# KiCad board Console.kicad_pcb (continued)
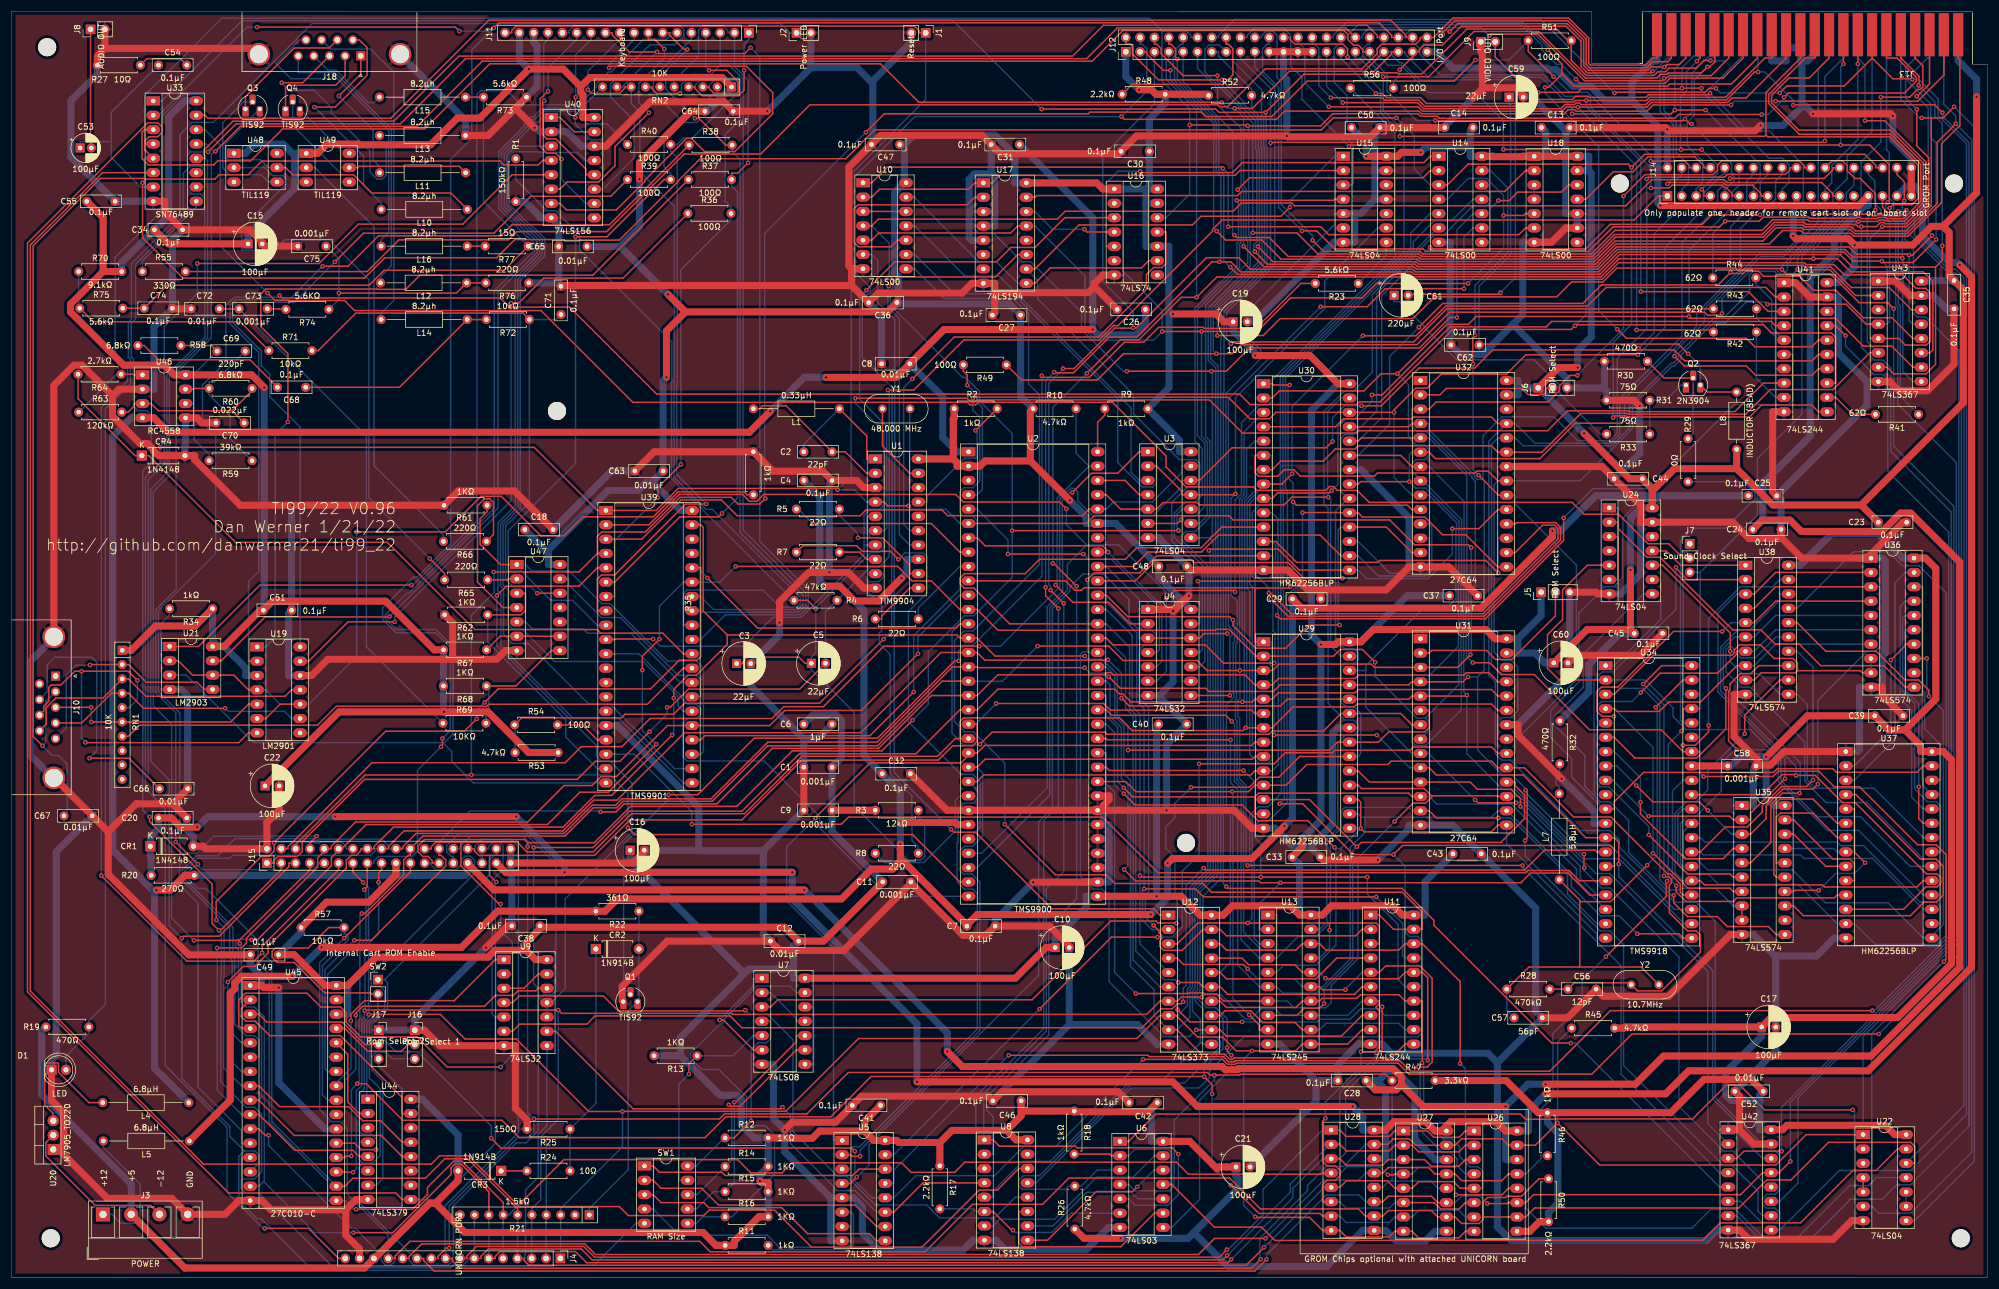
[diagram p0: board, top side]
## Routing (per net, layer and track width the routed paths; a pad name or vN(x,y) marks a point on that pad's centre or on a via; arc(x,y) is an arc through that point) (continued)
IO_A15-CRUOUT: length 204.5
  Top w0.25: v1(215.96,165.43) 216.29,165.76 248.33,165.76 254.19,171.62 R43.1
  Bottom w0.25: v1(215.96,165.43) 215.21,166.19 215.21,170.93 223.76,179.47 223.76,210.9 220.22,214.43 J12.19 ; R43.1 301.43,172.51 309.78,180.87 313.87,180.87 320,187 320,214.12 321.92,216.04 J13.19
IO_CRUIN: length 83.2
  Top w0.25: v1(300.9,215.61) 299.7,215.61 298.33,214.24 293.56,214.24 292.92,213.61 291.57,213.61 290.92,212.96 278.92,212.96 276.25,215.62 276.25,218.56 ; R51.2 276.25,218.56 ; 276.25,218.56 273.62,221.19 257.78,221.19 249.84,213.25 245.58,213.25 245.39,213.44 242.13,213.44 v1(241.73,213.04)
  Bottom w0.25: J13.33 304.13,216.04 303.62,215.52 300.99,215.52 v1(300.9,215.61) ; J12.33 238,215.97 238.8,215.97 v1(241.73,213.04)
IO_DBIN: length 409.4
  Top w0.25: v1(338.29,205.43) 340.01,205.43 ; 340.01,205.43 342.09,205.43 344.05,207.39 v1(344.05,207.41) ; 340.01,205.43 340.01,189.89 335.54,185.42 326.59,185.42 325.88,186.13 317.65,186.13 317.35,186.43 312.34,186.43 310.24,184.33 284.09,184.33 280.19,180.44 249.58,180.44 249.13,180.89 226.13,180.89 222.76,184.25 217,184.25 v1(216.58,184.67)
  Bottom w0.25: v1(216.58,184.67) 216.27,184.98 216.27,203.06 207.52,211.81 J12.9 ; J13.9 334.62,208.76 337.94,205.43 v1(338.29,205.43) ; U22.8 337.08,10.11 347.62,20.64 347.62,203.85 v1(344.05,207.41)
IO_SNDIN: length 290.9
  Top w0.25: J13.44 291.44,216.04 290.67,216.04 289.41,214.78 279.67,214.78 279.35,215.11 279.35,219.58 275.8,223.12 255.32,223.12 251.88,219.69 249.52,219.69 249.52,219.32 248.72,218.51 242.69,218.51 241.9,217.73 241.9,216.84 239.2,214.14 222.1,214.14 215.38,207.42 214.04,207.42 213.7,207.77 141.43,207.77 132.7,199.04 119.15,199.04 105.41,185.3 89.5,185.3 88.05,183.85 68.65,183.85 63.02,178.22 R55.1
IO_Ø3: length 196.5
  Top w0.25: 310.73,202.4 310.73,209.93 316.84,216.04 J13.24 ; 310.73,202.4 310.51,202.18 v1(245.9,202.18) ; 310.73,202.4 311.05,202.08 332.67,202.08 337.69,197.06 337.69,191.17 336.58,190.06 333.22,190.06 v1(332.62,189.46) ; J12.24 226.48,219.69 226.48,219.32 227.28,218.51 235.83,218.51 236.64,217.7 v1(236.64,216.22)
  Bottom w0.25: R41.1 334.52,156.14 334.52,172.15 334.15,172.52 334.15,187.16 332.62,188.69 v1(332.62,189.46) ; v1(236.64,216.22) 242.49,210.37 242.49,206.32 245.9,202.91 v1(245.9,202.18)
IR_A1: length 25.6
  Bottom w0.25: U44.10 69.23,16.38 69.23,33.42 65.06,37.59 J17.3
IR_A1_O: length 25
  Top w0.25: U45.3 43.84,46.69 45.25,45.28 58.63,45.28 62.6,41.31 J17.2
IR_A2: length 34
  Bottom w0.25: U44.7 64.66,16.38 65.78,17.5 65.78,34.87 63.87,36.79 63.87,39.23 64.61,39.98 66.29,39.98 67.51,38.77 J16.3
IR_A2_O: length 16.1
  Top w0.25: J16.2 70.28,41.31 69.1,40.12 63.11,40.12 59.08,44.15 U45.29
J_DOWN: length 151.8
  Top w0.25: v1(48.98,151.59) 48.98,163.66 44.18,168.46 44.18,174.24 45.06,175.13 64.9,175.13 64.96,175.07 69.85,175.07 72.35,177.56 102.97,177.56 R37.1
  Bottom w0.25: U19.1 45.06,111.75 46.71,113.39 46.71,149.32 v1(48.98,151.59)
J_FIRE: length 144.5
  Top w0.25: v1(57.29,179.94) 62.35,185 85.46,185 92,191.55 106.15,191.55 R39.1
  Bottom w0.25: U19.14 51.16,150.67 45.79,156.04 45.79,160.02 44.27,161.54 44.27,164.14 39.19,169.22 39.19,172.08 39.88,172.77 50.12,172.77 v1(57.29,179.94)
J_LEFT: length 158.4
  Top w0.25: v1(66.98,117.11) 66.91,117.04 44.94,117.04 37.18,109.28 U21.7
  Bottom w0.25: R40.1 105.46,204.38 102.04,204.38 99.77,206.65 94.15,206.65 92.58,205.08 92.1,205.08 91.28,204.26 91.28,203.78 86.81,199.31 86.81,189.56 91.45,184.92 91.69,184.92 93.12,183.49 93.12,181.57 86.19,174.64 86.19,136.32 v1(66.98,117.11)
J_RIGHT: length 122.5
  Top w0.25: v1(88.51,172.64) 89.86,172.64 94.28,177.06 108.36,177.06 R36.1 ; U19.13 52.68,109.21 59.65,116.17 v1(67.9,116.17)
  Bottom w0.25: v1(67.9,116.17) 67.9,117.01 88.51,137.61 v1(88.51,172.64)
J_UP: length 160.5
  Top w0.25: R38.1 105.93,186.52 88.68,186.52 86.71,184.55 65.03,184.55 59.63,179.16 v1(55.13,179.16)
  Bottom w0.25: v1(55.13,179.16) 49.19,173.22 39.68,173.22 38.74,172.28 38.74,168.98 43.81,163.91 43.81,125.09 42.01,123.29 42.01,109.21 U19.2
JOY1: length 215.3
  Top w0.25: U40.5 88.69,195.36 79.95,186.62 61.47,186.62 54.5,179.65 v1(32.95,179.65) ; C66.1 20.84,92.02 v1(13.84,92.02)
  Bottom w0.25: v1(13.84,92.02) 15.13,93.32 15.13,109.02 14.23,109.92 7.73,109.92 6.34,108.52 6.34,103.75 J10.7 ; v1(32.95,179.65) 32.95,174.32 27.08,168.46 27.08,144.15 24.22,141.28 24.22,88.64 C66.1
JOY2: length 213.6
  Top w0.25: v1(5.54,94.22) 3.86,95.89 3.86,182.79 15.78,194.71 23.49,194.71 23.61,194.59 36.04,194.59 36.81,195.36 41.93,195.36 44.36,197.79 86.53,197.79 87.22,197.1 93.31,197.1 94.11,197.9 U40.4
  Bottom w0.25: C67.1 9.87,82.36 9.87,91.06 9.8,91.06 8.34,92.52 7.23,92.52 v1(5.54,94.22) 6.13,94.81 6.13,102.09 J10.2
RAMBLK: length 113.8
  Top w0.25: 105.31,125.75 103.78,125.75 100.53,122.49 87.65,122.49 v1(85.99,120.83)
  Bottom w0.25: U9.11 95.62,48.73 ; 95.62,48.73 98.09,51.2 98.09,67.1 109.91,78.92 109.91,87.61 106.06,91.46 104.52,91.46 103.64,92.33 103.64,94.24 85.99,111.89 v1(85.99,120.83) ; 95.62,48.73 94.86,47.96 U9.10
READY: length 10
  Top w0.25: U3.4 199.75,138.69 197.21,141.22 U2.62
READY_~{HOLD}: length 623.9
  Top w0.25: v1(313.93,209.09) 314.69,209.84 335.25,209.84 337.37,211.96 337.37,212.64 333.97,216.04 332.07,216.04 J13.12 ; v1(208.67,204.18) 218.8,204.18 v1(218.95,204.03) 231.88,204.03 234.03,206.18 249.09,206.18 249.55,205.72 252.48,205.72 252.82,205.38 294.6,205.38 295.26,206.04 v1(309.99,206.04)
  Bottom w0.25: U16.12 204.48,187.77 208.67,191.96 v1(208.67,204.18) 208.67,207.07 203.78,211.96 203.78,220.86 ; J12.12 208.88,219.69 208.88,220.05 208.08,220.86 203.78,220.86 ; v1(218.95,204.03) 219.12,203.86 219.12,184.78 219.41,184.5 219.41,179.13 211.95,171.68 211.95,162.51 213.27,161.2 213.27,71.69 210.07,68.5 210.07,51.04 209.62,50.59 209.62,49.02 211.03,47.61 211.03,43.43 211.83,42.63 213.31,42.63 214.13,41.81 214.13,40.87 207.73,34.47 198.51,34.47 182.11,18.07 179.22,18.07 178.38,17.23 178.38,16.32 179.04,15.66 186.64,15.66 187.21,16.23 R26.2 189.46,16.23 192.3,19.06 U6.3 ; v1(309.99,206.04) 311.11,206.04 313.93,208.86 v1(313.93,209.09) ; 203.78,220.86 201.55,223.09 37.29,223.09 23.61,209.41 23.61,200.83 U33.4
SBE: length 401.7
  Top w0.25: v1(215.32,40.75) 215.32,40.16 v1(216.05,39.43) ; J12.2 197.36,218.51 198.17,218.51 198.54,218.14 198.54,216.79 203.16,212.16 v1(214.39,212.16) ; J13.2 344.78,216.04 345.07,215.74 345.07,204.1 341.82,200.85 341.82,190.42 335.89,184.49 326.24,184.49 325.75,184.99 317.4,184.99 316.91,185.48 313.69,185.48 311.32,183.11 284.14,183.11 280.57,179.54 249.2,179.54 248.77,179.96 223.42,179.96 v1(220.75,182.64)
  Bottom w0.25: 220.86,182.64 221.03,182.8 221.03,199.85 220.8,200.07 220.8,205.26 218.25,207.81 218.25,208.3 v1(214.39,212.16) ; 220.86,182.64 v1(220.75,182.64) ; 220.86,182.64 220.95,182.55 220.95,180.04 212.4,171.49 212.4,162.78 213.72,161.46 213.72,71.51 210.52,68.31 210.52,50.85 210.07,50.4 210.07,49.43 211.65,47.85 213.3,47.85 215.32,45.84 v1(215.32,40.75) ; U6.8 205.48,8.91 210.43,13.85 210.43,31.43 216.05,37.05 v1(216.05,39.43)
SNDIN: length 16.4
  Bottom w0.25: U33.9 32.76,189.65 23.23,180.12 R55.2
SNDOUT: length 21.1
  Top w0.25: C53.2 14.03,200.26 J8.1
SOUNDCLK: length 308.4
  Top w0.25: v1(45.4,174.4) 46.7,173.1 59,173.1 60.79,171.31 93.81,171.31 110.08,155.05 169.34,155.05 169.78,154.6 170.76,154.6 171.2,155.05 195.01,155.05 204.5,145.56 204.5,143.61 208.04,140.07 219.96,140.07 220.59,139.45 232.73,139.45 233.42,140.14 234.13,140.14 234.81,139.45 238.35,139.45 240.47,137.33 276.41,137.33 278.52,135.22 284.64,135.22 289.85,130.02 293.51,130.02 296.05,127.48 J7.2
  Bottom w0.25: U33.14 34.28,203.37 37.01,200.64 37.01,182.79 v1(45.4,174.4)
VAD0: length 62.5
  Top w0.25: U38.2 296.83,123.66 294.8,125.69 v1(294.8,125.83)
  Bottom w0.25: U34.10 280.81,85.56 280.3,86.07 280.3,105.87 281.72,107.29 283.68,107.29 294.8,118.41 v1(294.8,125.83)
VAD1: length 102.9
  Top w0.25: v1(314.1,88.39) 308,82.3 308,81.11 U35.2 304.95,81.11 304.31,81.75 v1(289.95,81.75) ; U38.3 308.64,121.12 312.45,124.93 U36.2
  Bottom w0.25: U38.3 305.58,121.12 302.23,117.76 302.23,103.75 314.1,91.88 v1(314.1,88.39) ; v1(289.95,81.75) 283.86,87.84 283.86,88.1 U34.9
VAD2: length 113.2
  Top w0.25: v1(300.43,82.77) 298.91,84.29 290.68,84.29 v1(287.78,87.2) ; v1(319.93,87.43) 319.05,86.55 313.72,86.55 310.76,83.59 310.76,81.33 308,78.57 U35.3 ; U38.4 308.64,118.58 312.45,122.39 U36.3
  Bottom w0.25: v1(300.43,82.77) 304.63,78.57 U35.3 ; U36.3 330.86,122.39 330.86,111.75 330.07,110.96 328.61,110.96 319.93,102.27 v1(319.93,87.43) ; U34.8 284.33,90.64 v1(287.78,87.2)
VAD3: length 104.8
  Top w0.25: v1(302.98,114.47) 294.36,114.47 284.49,104.61 281.58,104.61 280.8,103.82 280.8,100.3 281.67,99.43 v1(283.8,99.43) ; U36.4 312.45,119.84 308.64,116.03 U38.5 ; v1(288.5,84.23) 288.5,82.16 296.44,74.22 303.14,74.22 304.95,76.03 U35.4
  Bottom w0.25: v1(283.8,99.43) 283.86,99.37 283.86,93.18 ; U34.7 283.86,93.18 ; 283.86,93.18 288.5,88.54 v1(288.5,84.23) ; v1(302.98,114.47) 304.54,116.03 U38.5
VAD4: length 111.3
  Top w0.25: v1(303.62,104.4) 303.62,97.2 298.48,92.05 287.53,92.05 283.86,95.72 U34.6 ; v1(316.69,85.83) 313.64,85.83 311.59,83.78 311.59,77.08 308,73.49 U35.5
  Bottom w0.25: v1(316.69,85.83) 316.8,85.93 316.8,91.22 v1(303.62,104.4) 303.19,104.83 303.19,111.47 305.21,113.5 U38.6 308.64,113.5 312.45,117.31 U36.5
VAD5: length 102.9
  Top w0.25: U38.7 305.58,110.96 305.58,110.49 302.17,107.08 291.99,107.08 v1(288.57,103.66) ; U35.6 304.95,70.95 304.39,71.51 296.91,71.51 v1(289.99,78.43)
  Bottom w0.25: U34.5 281.57,98.26 ; 281.57,98.26 280.8,97.49 280.8,87.62 281.44,86.97 282.91,86.97 289.99,79.9 v1(289.99,78.43) ; 281.57,98.26 280.81,99.03 280.81,101.3 281.58,102.07 286.98,102.07 v1(288.57,103.66) ; U38.7 308.64,110.96 312.45,114.77 U36.6
VAD6: length 100.7
  Top w0.25: v1(290.72,75.18) 290.81,75.18 296.02,69.97 296.02,69.88 296.9,69 304.36,69 304.95,68.41 U35.7 ; 307.11,108.42 305.58,108.42 299.17,102 293.52,102 291.83,100.31 284.35,100.31 283.86,100.8 U34.4
  Bottom w0.25: U36.7 312.45,112.23 308.64,108.42 307.11,108.42 ; v1(290.72,75.18) 290.72,93.94 283.86,100.8 U34.4
VAD7: length 127.6
  Top w0.25: U38.9 308.64,105.88 309.91,107.15 315.94,107.15 316.32,107.52 ; U34.3 283.86,103.34 290.77,110.25 304.7,110.25 305.13,110.67 305.13,111.2 306.02,112.09 309.78,112.09 312.18,109.69 315.52,109.69 316.32,108.89 316.32,107.52 ; U36.9 327.81,107.15 327.43,107.52 316.32,107.52 ; U35.9 U35.8
  Bottom w0.25: U36.9 U36.8 ; U35.8 304.95,65.87 301.86,68.96 295.58,68.96 295.32,68.7 293.73,68.7 291.94,70.49 291.94,101.33 288.88,104.39 284.91,104.39 283.86,103.34 U34.3
VCAS: length 110.7
  Top w0.25: U34.2 274.09,105.88 272.04,107.93 272.04,113.92 274.72,116.59 274.72,121.81 279.11,126.21 U24.5
  Bottom w0.25: U34.2 289.36,105.88 294.29,100.95 294.29,99.39 296.58,97.09 307.95,97.09 313.37,91.67 313.37,88.09 319.81,81.66 327.48,81.66 336.26,72.88 U37.20
VCOL: length 66.7
  Top w0.25: U24.2 284.51,133.83 284.51,132.78 289.67,127.61 291.98,127.61 304.82,114.77 309.84,114.77 312.38,112.23 316.63,112.23 320.44,108.42 331.62,108.42 335.43,104.61 U36.11
VD0: length 102.4
  Top w0.25: v1(300.56,97.82) 300.56,96.66 298.2,94.31 v1(296.01,94.31) ; U37.11 323.35,67.8 322.84,67.28 305.58,67.28 304.94,66.65 296.54,66.65 294.84,68.34 v1(294.84,69.42)
  Bottom w0.25: U34.32 296.05,88.1 ; 296.05,88.1 296.01,88.14 v1(296.01,94.31) ; 296.05,88.1 294.19,86.24 294.19,70.08 v1(294.84,69.42) ; v1(300.56,97.82) 300.56,116.74 306.2,122.39 311.93,122.39 313.2,123.66 U38.19
VD1: length 117.6
  Top w0.25: U37.12 335.09,65.26 339.04,69.21 340.99,69.21 341.67,69.89 341.67,70.87 341.01,71.53 339.16,71.53 326.53,84.16 324.28,84.16 319.48,88.97 v1(316.06,88.97) 315.91,89.12 313.61,89.12 310.05,85.56 U34.31
  Bottom w0.25: U38.18 313.2,121.12 313.2,120.07 307.9,114.77 305.77,114.77 302.7,111.7 302.7,103.92 316.06,90.55 v1(316.06,88.97)
VD2: length 161.5
  Bottom w0.25: U34.30 296.05,83.02 295.13,82.1 295.13,73.14 296.83,71.45 300.55,71.45 302.32,69.68 316.38,69.68 323.35,62.72 U37.13 326.4,62.72 330.07,59.04 341,59.04 342.64,60.68 342.64,121.31 337.82,126.12 334.89,126.12 332.42,128.59 326.27,128.59 316.26,118.58 U38.17
VD3: length 132.1
  Top w0.25: v1(339.58,103) 339.58,104.06 337.77,105.88 335.35,105.88 330.27,110.96 321.34,110.96 316.26,116.03 U38.16
  Bottom w0.25: U37.15 339.77,60.18 ; 339.77,60.18 338.59,60.18 332.37,66.4 321.26,66.4 315.44,72.22 300.42,72.22 298.51,74.13 296.82,74.13 296.04,74.91 296.04,78.94 U34.29 ; 339.77,60.18 342.16,62.56 342.16,100.43 v1(339.58,103)
VD4: length 134.7
  Bottom w0.25: U37.16 341.64,62.72 341.64,65.74 340.86,66.53 ; 340.86,66.53 341.65,67.32 341.65,73.35 340.86,74.15 338.59,74.15 328.57,84.16 321.37,84.16 317.6,87.93 317.6,94.88 307.88,104.61 306.37,104.61 303.66,107.31 303.66,111.26 304.13,111.73 304.68,111.73 305.13,111.27 305.13,110.93 306.26,109.8 308.82,109.8 312.51,113.5 U38.15 ; 340.86,66.53 338.01,66.53 328,76.54 323.96,76.54 323.35,77.16 299.88,77.16 299.1,77.94 U34.28
VD5: length 99.6
  Top w0.25: v1(319.06,88.14) 317.92,87 313.5,87 310.08,83.58 310.08,82.5 307.42,79.84 303.54,79.84 299.1,75.4 U34.27
  Bottom w0.25: U34.27 299.1,75.4 299.6,74.9 316.84,74.9 317.47,74.26 329.58,74.26 338.59,65.26 U37.17 ; v1(319.06,88.14) 319.06,108.15 316.26,110.96 U38.14
VD6: length 98.9
  Top w0.25: v1(305.65,93.53) 304.12,95.05 304.12,103.87 304.35,104.09 304.35,105.15 306.2,107 308.04,107 309.46,108.42 314.73,108.42
  Bottom w0.25: U37.18 338.59,67.8 327.16,79.23 321.61,79.23 312.92,87.91 312.92,91.44 310.84,93.53 v1(305.65,93.53) 305.26,93.53 302.81,91.08 302.81,86.2 298.37,81.75 296.85,81.75 295.59,80.48 295.59,73.32 296.05,72.86 U34.26
VD7: length 91.3
  Top w0.25: v1(306.97,96.36) 306.97,99.64 313.2,105.88 U38.12 ; U37.19 338.59,70.34 337.46,69.21 321.1,69.21 320.72,69.59 299.83,69.59 299.1,70.32 U34.25
  Bottom w0.25: U34.25 296.05,70.32 294.64,71.73 294.64,82.26 296.69,84.31 298.35,84.31 300.4,86.37 300.4,89.79 v1(306.97,96.36)
VDPINT: length 189
  Top w0.25: U34.16 277.69,70.32 275.88,72.13 268.54,72.13 268.16,71.74 203.08,71.74 193.23,81.59 148.25,81.59 146.98,80.31 v1(120.51,80.31)
  Bottom w0.25: U39.18 110.32,92.73 120.51,82.54 v1(120.51,80.31)
VRAS: length 21.7
  Bottom w0.25: U34.1 283.86,108.42 292.13,116.69 292.13,123.67 U24.9
VRD: length 80.3
  Top w0.25: v1(304.4,110.97) 304.4,114.2 292.39,126.21 U24.10
  Bottom w0.25: U37.22 338.59,77.96 329.84,86.71 319.47,86.71 318.05,88.12 318.05,101.54 316.26,103.34 U38.11 313.2,103.34 309.54,107 306.51,107 304.4,109.1 v1(304.4,110.97)
VROW: length 94.9
  Top w0.25: U35.11 312.57,60.79 311.16,62.2 303.88,62.2 302.12,63.97 296.84,63.97 294.39,66.42 v1(294.39,67.73)
  Bottom w0.25: v1(294.39,67.73) 294.01,67.73 286.42,75.32 286.42,80.97 283.11,84.29 281.43,84.29 278.68,87.04 278.68,92.48 273.1,98.06 273.1,99.3 278.39,104.59 278.39,110.44 289.07,121.12 U24.8
VRW: length 159.6
  Top w0.25: U38.1 295.63,126.2 293.08,128.75 U24.11 ; U34.11 283.86,83.02 283.86,84.31 289.05,89.5 312.08,89.5 312.73,90.16 322.58,90.16 323.21,89.52 337.46,89.52 338.59,90.66 U37.27
  Bottom w0.25: U34.11 281.99,83.02 276.32,88.69 276.32,91.97 272.6,95.68 272.6,100.5 277.62,105.52 277.62,117.76 282.25,122.4 283.77,122.4 285.39,124.01 285.39,134.55 288.35,137.5 291.45,137.5 292.13,136.83 292.13,128.75 U24.11
~{CMRESET}: length 322
  Top w0.25: v1(155.25,157.24) 159.83,157.24 168.69,166.1 192.65,166.1 195.19,168.65 196,168.65 212.74,185.38 212.74,185.69 214.4,187.35 287.38,187.35 291.64,191.61 J14.1 ; C5.2 139.61,104.26 119.92,104.26 116.7,101.04 v1(116.12,101.04) ; J15.1 46.44,73.45 46.44,73.81 47.24,74.62 50.64,74.62 51.52,75.5 51.52,77.23 62.55,88.27 100.22,88.27 103.41,91.46 107.76,91.46 v1(113.03,96.73)
  Bottom w0.25: v1(113.03,96.73) 116.12,99.82 v1(116.12,101.04) ; C5.2 144.18,117.93 R4.1 152.16,125.9 153.67,125.9 155.46,127.69 155.46,127.92 155.47,127.93 155.47,157.01 v1(155.25,157.24)
~{CRUCLK}: length 364.4
  Top w0.25: 47.8,75.99 48.98,75.99 48.98,76.32 63.88,91.22 98.09,91.22 100.94,94.07 108.15,94.07 113.13,99.05 134.7,99.05 136.8,101.15 143.83,101.15 154.54,111.87 v1(171.42,111.87) ; v1(239.09,154.43) 242.6,154.43 249.3,161.13 259.16,161.13 262.38,164.34 288.18,164.34 ; 288.18,164.34 v1(288.18,164.64) ; 288.18,164.34 294.43,164.34 296.38,162.4 318.88,162.4 320.03,163.55 U41.15 ; v1(233.98,148.14) 232.85,147.01 216.2,147.01 210.42,141.23 U3.12
  Bottom w0.25: v1(239.09,154.43) 236.1,154.43 233.98,152.32 v1(233.98,148.14) ; U3.12 207.37,141.23 207.37,140.19 202.19,135.01 191.47,135.01 188.86,137.62 188.86,139.17 188.22,139.82 187.54,139.82 185.65,137.92 185.65,125.27 185.68,125.24 185.68,122.36 175.18,111.87 v1(171.42,111.87) ; J14.4 295.82,195.43 294.65,194.26 294.65,188.61 290.94,184.91 290.94,167.41 v1(288.18,164.64)
~{CSR}: length 301.9
  Top w0.25: U34.15 283.86,72.86 283.86,75.88 283.17,76.57 246.38,76.57 v1(244.77,74.95) 237.68,74.95 228.68,83.96 v1(224.61,83.96)
  Bottom w0.25: U14.5 251.26,188.49 247.81,185.04 247.81,182.2 225.2,159.58 225.2,139.58 225.26,139.52 225.26,119.24 225.42,119.08 225.42,84.77 v1(224.61,83.96) ; U8.13 181.48,16.8 198.3,33.62 210.36,33.62 212.18,35.44 212.18,36.58 218.25,42.66 249.11,42.66 249.89,43.44 249.89,59.63 249.08,60.44 247.63,60.44 246.83,61.23 246.83,72.89 v1(244.77,74.95)
~{CSW}: length 120.6
  Top w0.25: v1(129.97,47.39) 129.85,47.27 107.47,47.27 104.82,49.92 89.95,49.92 88.76,48.73 U9.4
  Bottom w0.25: v1(129.97,47.39) 130.74,46.62 133.96,46.62 138.42,42.15 138.42,25.91 146.36,17.97 147.91,17.97 152.99,12.89 162.1,12.89 164.39,10.59 174.13,10.59 177.79,14.26 U8.12
~{DBIN}: length 243.7
  Top w0.25: U3.2 202.8,143.77 207.37,139.2 207.37,138.69 U3.11 216.63,138.69 v1(216.79,138.84)
  Bottom w0.25: U3.2 202.8,143.77 202.8,140.74 202.11,140.05 200.29,140.05 195.94,144.4 195.94,155.76 177.45,174.25 166.98,174.25 159.98,181.25 U10.9 ; U13.1 224.06,64.25 224.06,58.64 223.46,58.04 221.4,58.04 218.23,61.21 218.23,86.97 217.04,88.16 217.04,90.33 217.08,90.37 217.08,98.63 216.79,98.92 216.79,102.46 216.97,102.64 216.97,103.61 216.84,103.74 216.84,112.25 217.07,112.48 217.07,119.86 215.99,120.93 215.99,138.05 v1(216.79,138.84) 216.79,155.89 232.59,171.69 232.59,176.57 241.97,185.94 U15.9
~{GS}: length 590.3
  Top w0.25: U22.12 337.08,20.27 337.08,23.28 336.39,23.97 321.81,23.97 315.16,17.33 310.89,17.33 305.91,12.36 269.78,12.36 268.18,10.76 U26.10 260.65,10.76 ; 70.66,73.45 70.66,71.86 v1(58.95,60.15) ; 260.65,10.76 260.65,10.33 259.94,9.61 256.83,9.61 255.68,10.76 U27.10 252.63,10.76 251.5,11.89 243.85,11.89 242.88,10.92 U28.10 239.83,10.92 238.56,12.19 221.22,12.19 215.75,17.66 187.28,17.66 182.61,12.99 170.22,12.99 161.82,4.59 123.77,4.59 121.92,6.44 70.58,6.44 67.93,3.79 67.93,3.42 J4.13 ; 260.65,10.76 260.65,13.44 261.43,14.21 264.63,14.21 264.85,14.43 267.44,14.43 270.55,17.53 R50.1 ; v1(335.59,189.11) 334.57,188.09 332.34,188.09 332.17,188.26 330.45,188.26 330.28,188.09 329.55,188.09 329.22,188.41 v1(319.07,188.41)
  Bottom w0.25: J4.13 66.75,7.55 59.48,14.82 59.48,26.44 58.29,27.64 56.79,27.64 54.61,29.82 54.61,55.8 v1(58.95,60.15) ; v1(319.07,188.41) 318.68,188.8 J14.21 ; v1(335.59,189.11) 337.04,187.66 337.04,184.59 342.99,178.64 344.29,178.64 345.79,177.14 345.79,30.5 U22.12
~{INTREQ}: length 93.6
  Bottom w0.25: U2.32 155.26,67.56 143.13,79.68 143.13,81.7 133.31,91.53 119.7,91.53 119.01,92.21 119.01,98.29 119.79,99.08 121.34,99.08 122.08,99.81 122.08,100.81 121.27,101.62 119.81,101.62 118.49,102.93 118.49,103.17 111.16,110.51 U39.11
~{IO_CRUCLK}: length 218.6
  Top w0.25: v1(228.56,185.43) 231.15,185.43 234.35,182.24 250,182.24 250.46,181.79 279.31,181.79 283.66,186.13 302.5,186.13 v1(303.51,187.14) 309.55,187.14 310.27,187.86 318.28,187.86 318.48,187.66 326.67,187.66 326.83,187.82 327.43,187.82 327.65,187.61 330.44,187.61 330.64,187.81 331.99,187.81 332.19,187.61 335.11,187.61 338.14,190.64 338.14,197.24 332.86,202.53 316.67,202.53 311.2,207.99 311.2,209.54 317.7,216.04 319.38,216.04 J13.22
  Bottom w0.25: R44.1 301.32,184.95 v1(303.51,187.14) ; J12.22 222.76,218.51 222.39,218.51 221.58,217.7 221.58,213.7 224.43,210.86 224.43,189.56 v1(228.56,185.43)
~{IO_EXT_INT}: length 388.3
  Top w0.25: v1(196.6,205.68) 197.1,205.18 224.03,205.18 225.48,206.63 249.28,206.63 249.74,206.17 275.01,206.17 275.74,206.89 276.83,206.89 277.11,206.62 289.63,206.62 290.74,207.73 v1(304.55,207.73) ; R54.1 90.37,99.17 108.03,99.17 108.67,99.81 117.29,99.81 119.24,101.76 143.13,101.76 v1(154.48,113.1) ; J13.4 342.24,213.02 337.61,208.39 330.78,208.39 330.76,208.41 314.28,208.41 314.24,208.37 312.49,208.37 v1(312.45,208.41)
  Bottom w0.25: v1(304.55,207.73) 305.22,208.41 v1(312.45,208.41) ; R54.1 89.22,97.83 R53.2 ; v1(154.48,113.1) 155.91,114.54 155.91,127.74 155.99,127.81 155.99,157.66 150.68,162.97 150.68,173.22 151.64,174.18 151.72,174.18 152.14,174.61 152.14,175.38 149.26,178.26 149.26,194.93 160.01,205.68 v1(196.6,205.68) 201.08,210.15 201.08,217.7 200.27,218.51 199.9,218.51 J12.4
~{IO_LOAD}: length 259.7
  Top w0.25: v1(302.95,170.79) 302.64,170.49 300.39,170.49 299.86,171.02 254.7,171.02 248.96,165.27 217.8,165.27 216.2,163.67 v1(213.41,163.67) 196.97,163.67 192.32,159.02 178.89,159.02 R49.1
  Bottom w0.25: v1(213.41,163.67) 212.86,164.23 212.86,171.31 221.48,179.93 221.48,200.04 221.33,200.18 221.33,205.37 219.64,207.05 R52.2 219.64,210.55 213.78,216.42 213.78,217.15 J12.13 ; v1(302.95,170.79) 302.95,173.39 308.3,178.74 312.4,178.74 313.28,177.86 313.88,177.86 314.52,178.51 314.52,179.61 322.59,187.67 322.59,192.12 325.13,194.66 325.13,198.66 329.54,203.07 J13.13
~{IO_MBE}: length 163.3
  Top w0.25: v1(233.68,209.01) 242.8,209.01 243.23,208.58 249.23,208.58 250.3,207.52 268.78,207.52 269.51,208.25 276.64,208.25 276.92,208.52 v1(278.93,208.52) 289.55,208.52 290.1,209.08 303.57,209.08 310.53,216.04 311.75,216.04 J13.28 ; v1(288.56,174.67) 307.61,174.67 311.11,171.17 U41.3
  Bottom w0.25: v1(233.68,209.01) 231.56,211.14 231.56,217.7 230.75,218.51 230.38,218.51 J12.28 ; v1(288.56,174.67) 288.56,197.78 278.93,207.41 v1(278.93,208.52)
~{IO_RESET}: length 413.4
  Top w0.25: J12.3 201.08,217.15 201.08,216.78 204,213.85 v1(205.27,213.85) ; v1(344.34,204.4) 341.07,201.13 341.07,190.31 335.7,184.94 326.43,184.94 325.69,185.68 317.34,185.68 317.05,185.98 312.53,185.98 310.16,183.61 284,183.61 280.38,179.99 249.39,179.99 248.96,180.41 224.86,180.41 221.48,183.8 215.05,183.8 v1(213.46,185.39)
  Bottom w0.25: U22.6 329.46,12.65 330.65,11.45 336.37,11.45 347.15,22.23 347.15,201.6 v1(344.34,204.4) 344.34,205.78 342.24,207.89 J13.3 ; v1(213.46,185.39) 212.92,185.93 212.92,204.5 205.27,212.15 v1(205.27,213.85)
~{IO_WE}: length 161.6
  Top w0.25: J13.26 314.3,216.04 307.23,208.97 304.73,208.97 303.94,208.18 290.48,208.18 289.64,207.34 v1(277.41,207.34) 275.33,207.34 274.6,206.62 249.93,206.62 249.14,207.4 v1(233.32,207.4) ; R42.1 301.08,167.86 v1(287.82,167.86)
  Bottom w0.25: v1(277.41,207.34) 287.82,196.93 v1(287.82,167.86) ; v1(233.32,207.4) 229.07,211.65 229.07,217.65 228.21,218.51 227.84,218.51 J12.26
~{IROMG}: length 91.3
  Top w0.25: R57.2 56.2,62.02 52.58,58.4 46.8,58.4 46.19,57.79 46.19,56.77 47.13,55.84 50.11,55.84 55.5,50.45 63.57,50.45 63.76,50.26 SW2.2
  Bottom w0.25: SW2.2 64.94,47.18 62.96,45.21 62.96,31.79 U44.1 ; U45.24 56.02,31.45 55.1,32.37 55.1,55.28 59.68,59.85 59.68,60.45 59.24,60.89 58.94,60.89 R57.2
~{LOAD}: length 26.3
  Top w0.25: v1(169.29,158.1) 169.29,159.87 168.6,160.56 R49.2
  Bottom w0.25: v1(169.29,158.1) 170.99,156.4 170.99,155.08 171.97,154.1 171.97,139.61 171.04,138.68 U2.4
~{MBE}: length 329.2
  Top w0.25: v1(329.58,47.31) 283.18,47.31 272.45,36.58 247.75,36.58 245.89,38.44 216.72,38.44 216.53,38.25 215.56,38.25 214.65,39.16 201.5,39.16 201.26,39.4 v1(176.63,39.4) ; U41.17 323.08,168.62 v1(324.83,166.87)
  Bottom w0.25: U5.13 156.28,16.7 156.28,19.05 v1(176.63,39.4) ; v1(329.58,47.31) 329.94,47.31 343.09,60.46 343.09,132.05 332.32,142.82 332.32,159.07 331.4,159.99 329.87,159.99 324.83,165.03 v1(324.83,166.87)
~{MEMEN}: length 365.4
  Top w0.25: v1(149.73,17.81) 148.66,16.74 148.66,16.7 U5.4 ; v1(215.37,114.09) 211.23,114.09 210.42,113.28 U4.12 U4.3 ; v1(277.09,212.3) 277.86,211.54 292.82,211.54 293.76,212.48 303.12,212.48 306.68,216.04 J13.32
  Bottom w0.25: v1(215.37,114.09) 215.09,114.38 215.09,156.62 221.27,162.79 221.27,164.31 217.75,167.82 217.75,169.98 234.35,186.58 234.35,193.56 U15.3 237.4,193.56 237.63,193.8 237.63,200.68 236.21,202.1 236.21,204.24 236.53,204.57 236.53,209.44 234.28,211.69 234.28,217.7 235.09,218.51 235.46,218.51 J12.32 236.64,219.69 236.64,220.05 238.53,221.94 267.45,221.94 271.05,218.34 271.05,217.5 273.62,214.93 274.47,214.93 v1(277.09,212.3) ; U4.3 199.75,113.28 199.75,114.7 197.94,116.51 197.94,120.13 193.43,124.64 189.76,124.64 187.48,122.35 187.48,121.62 184.37,118.5 184.37,83.19 181.93,80.76 181.93,53.55 151.89,23.51 151.89,19.97 v1(149.73,17.81)
